# Altium PCB PCB_3U_DAC_no_BNC.PCBDOC (part 2 of 7)
Units mm, origin at the board's own origin, x right, y up, seen from the top; angles counter-clockwise.
Board outline 160 x 100 mm, 4 copper layers (TopLayer, Internal Plane 2, Signal Layer 1, BottomLayer), stack 1.563 mm thick; 706 components, 563 nets, 2139 pads, 736 vias.
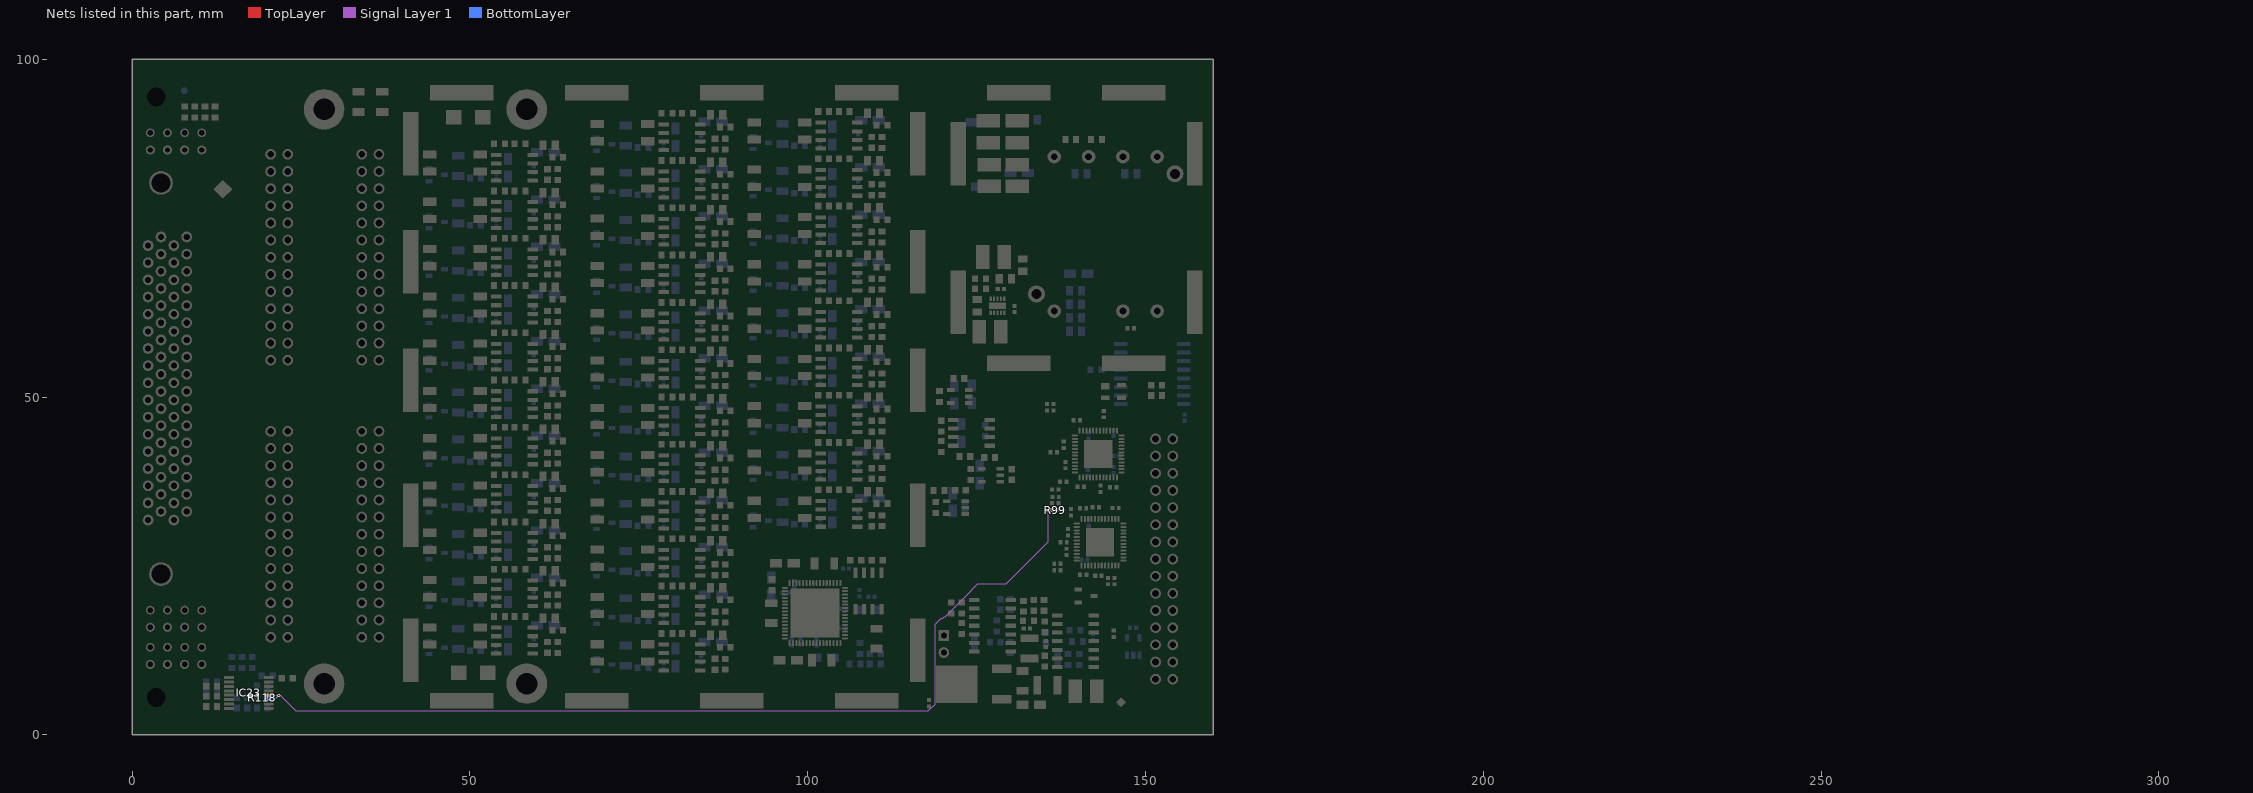
[diagram p4: the nets of this part, all layers, seen from the top]

## Components (designator, comment, footprint, x,y, rotation, side; value= is the part's Value field where it differs from the comment) (continued)
IC2_14 "OPA197ID" SOIC127P600X175-8N 81.407,46.47 r180 top (schematic designator IC2)
IC2_15 "OPA197ID" SOIC127P600X175-8N 104.607,46.72 r180 top (schematic designator IC2)
IC2_16 "OPA197ID" SOIC127P600X175-8N 56.607,55.97 r180 top (schematic designator IC2)
IC2_17 "OPA197ID" SOIC127P600X175-8N 81.407,53.47 r180 top (schematic designator IC2)
IC2_18 "OPA197ID" SOIC127P600X175-8N 104.607,53.72 r180 top (schematic designator IC2)
IC2_19 "OPA197ID" SOIC127P600X175-8N 56.607,62.97 r180 top (schematic designator IC2)
IC2_20 "OPA197ID" SOIC127P600X175-8N 81.407,60.47 r180 top (schematic designator IC2)
IC2_21 "OPA197ID" SOIC127P600X175-8N 104.607,60.72 r180 top (schematic designator IC2)
IC2_22 "OPA197ID" SOIC127P600X175-8N 56.607,69.97 r180 top (schematic designator IC2)
IC2_23 "OPA197ID" SOIC127P600X175-8N 81.407,67.47 r180 top (schematic designator IC2)
IC2_24 "OPA197ID" SOIC127P600X175-8N 104.607,67.72 r180 top (schematic designator IC2)
IC2_25 "OPA197ID" SOIC127P600X175-8N 56.607,76.97 r180 top (schematic designator IC2)
IC2_26 "OPA197ID" SOIC127P600X175-8N 81.407,74.47 r180 top (schematic designator IC2)
IC2_27 "OPA197ID" SOIC127P600X175-8N 104.607,74.72 r180 top (schematic designator IC2)
IC2_28 "OPA197ID" SOIC127P600X175-8N 56.607,83.97 r180 top (schematic designator IC2)
IC2_29 "OPA197ID" SOIC127P600X175-8N 81.407,81.47 r180 top (schematic designator IC2)
IC2_30 "OPA197ID" SOIC127P600X175-8N 104.607,81.72 r180 top (schematic designator IC2)
IC2_31 "OPA197ID" SOIC127P600X175-8N 81.407,88.47 r180 top (schematic designator IC2)
IC2_32 "OPA197ID" SOIC127P600X175-8N 104.607,88.72 r180 top (schematic designator IC2)
IC3 "MAX6250ACSA+" SOIC127P600X175-8N 108.979,21.32 r270 top
IC8 "SN65MLVD040RGZT" QFN50P700X700X100-49N-S420 143.006,41.58 r0 top
IC9 "SN65MLVD040RGZT" QFN50P700X700X100-49N-S420 143.27,28.534 r0 top
IC13 "PCF8574ADW" SOIC127P1030X265-16N 150.978,53.416 r0 bottom
IC16 "LM45CIM3" SOT95P251X112-3N 101.063,18.031 r135 bottom
IC17 "TS3431ILT" SOT95P237X112-3N 141.195,20.571 r0 top
IC18 "AD5372BCPZ" QFN50P900X900X100-65N-S725 101.063,18.031 r270 top
IC19 "STM811SW16F" SOT143N 145.25,50.861 r0 top
IC20 "TLC279CD" SOIC127P600X175-14N 139.635,13.872 r180 top
IC23 "SN74LV595APWT" SOP65P640X120-16N 17.263,6.206 r0 top
IC27 "LT1763CS8#PBF" SOIC127P600X175-8N 124.263,44.706 r0 top
IC29 "LT1761ES5-BYP#TRMPBF" SOT95P280X100-5N 121.933,33.647 r180 top
IC32 "24AA02E48T-I/OT" SOT95P280X145-5N 148.184,13.106 r90 bottom
IC33 "LT1964ES5-SD#TRMPBF" SOT95P280X100-5N 127.135,38.435 r180 top
IC34 "LT1964ES5-SD#TRMPBF" SOT95P280X100-5N 122.486,50.094 r180 top
IC35 "TPS62175DQC" SON50P200X300X80-11N-R94X250 128.088,63.531 r270 top
IC36 "TLC279CD" SOIC127P600X175-14N 127.38,16.158 r180 top
J1 "D-SUB" TYCO_5787082-7 5.213,52.756 r270 top
J3 "Header 26" 3M_N2526-6002RB 21.763,29.706 r90 top
J4 "Header 26" 3M_N2526-6002RB 35.263,29.706 r90 top locked
J5 "Header 26" 3M_N2526-6002RB 35.263,70.706 r90 top locked
J7 "Header 26" 3M_N2526-6002RB 21.763,70.706 r90 top
J37 "Familly" 3M_N2530-6002RB 152.763,26.031 r270 top
L3 "10uH" IND_MURATA-PS_8400 141.195,6.474 r0 top
L4_1 "2x6.5mH" IND_WURTH_WE-SL2 47.796,14.651 r180 top (schematic designator L4)
L4_2 "2x6.5mH" IND_WURTH_WE-SL2 72.596,12.151 r180 top (schematic designator L4)
L4_3 "2x6.5mH" IND_WURTH_WE-SL2 47.796,21.651 r180 top (schematic designator L4)
L4_4 "2x6.5mH" IND_WURTH_WE-SL2 72.596,19.151 r180 top (schematic designator L4)
L4_5 "2x6.5mH" IND_WURTH_WE-SL2 47.796,28.651 r180 top (schematic designator L4)
L4_6 "2x6.5mH" IND_WURTH_WE-SL2 72.596,26.151 r180 top (schematic designator L4)
L4_7 "2x6.5mH" IND_WURTH_WE-SL2 47.796,35.651 r180 top (schematic designator L4)
L4_8 "2x6.5mH" IND_WURTH_WE-SL2 72.596,33.151 r180 top (schematic designator L4)
L4_9 "2x6.5mH" IND_WURTH_WE-SL2 95.796,33.401 r180 top (schematic designator L4)
L4_10 "2x6.5mH" IND_WURTH_WE-SL2 47.796,42.651 r180 top (schematic designator L4)
L4_11 "2x6.5mH" IND_WURTH_WE-SL2 72.596,40.151 r180 top (schematic designator L4)
L4_12 "2x6.5mH" IND_WURTH_WE-SL2 95.796,40.401 r180 top (schematic designator L4)
L4_13 "2x6.5mH" IND_WURTH_WE-SL2 47.796,49.651 r180 top (schematic designator L4)
L4_14 "2x6.5mH" IND_WURTH_WE-SL2 72.596,47.151 r180 top (schematic designator L4)
L4_15 "2x6.5mH" IND_WURTH_WE-SL2 95.796,47.401 r180 top (schematic designator L4)
L4_16 "2x6.5mH" IND_WURTH_WE-SL2 47.796,56.651 r180 top (schematic designator L4)
L4_17 "2x6.5mH" IND_WURTH_WE-SL2 72.596,54.151 r180 top (schematic designator L4)
L4_18 "2x6.5mH" IND_WURTH_WE-SL2 95.796,54.401 r180 top (schematic designator L4)
L4_19 "2x6.5mH" IND_WURTH_WE-SL2 47.796,63.651 r180 top (schematic designator L4)
L4_20 "2x6.5mH" IND_WURTH_WE-SL2 72.596,61.151 r180 top (schematic designator L4)
L4_21 "2x6.5mH" IND_WURTH_WE-SL2 95.796,61.401 r180 top (schematic designator L4)
L4_22 "2x6.5mH" IND_WURTH_WE-SL2 47.796,70.651 r180 top (schematic designator L4)
L4_23 "2x6.5mH" IND_WURTH_WE-SL2 72.596,68.151 r180 top (schematic designator L4)
L4_24 "2x6.5mH" IND_WURTH_WE-SL2 95.796,68.401 r180 top (schematic designator L4)
L4_25 "2x6.5mH" IND_WURTH_WE-SL2 47.796,77.651 r180 top (schematic designator L4)
L4_26 "2x6.5mH" IND_WURTH_WE-SL2 72.596,75.151 r180 top (schematic designator L4)
L4_27 "2x6.5mH" IND_WURTH_WE-SL2 95.796,75.401 r180 top (schematic designator L4)
L4_28 "2x6.5mH" IND_WURTH_WE-SL2 47.796,84.651 r180 top (schematic designator L4)
L4_29 "2x6.5mH" IND_WURTH_WE-SL2 72.596,82.151 r180 top (schematic designator L4)
L4_30 "2x6.5mH" IND_WURTH_WE-SL2 95.796,82.401 r180 top (schematic designator L4)
L4_31 "2x6.5mH" IND_WURTH_WE-SL2 72.596,89.151 r180 top (schematic designator L4)
L4_32 "2x6.5mH" IND_WURTH_WE-SL2 95.796,89.401 r180 top (schematic designator L4)
L6 "10uH" IND_MURATA-PS_8400 131.035,82.801 r270 top
L7 "10uH" IND_MURATA-PS_8400 126.844,82.801 r270 top
L8 "10uH" IND_MURATA-PS_8400 127.5,70.75 r0 top
L9 "10uH" IND_MURATA-PS_8400 131.035,89.278 r90 top
L15 "10uH" IND_MURATA-PS_8400 126.717,89.278 r270 top
L16 "10uH" IND_MURATA-PS_8400 126.971,59.687 r180 top
LD3 "Green/Green/HeRed/HeRed" LED_BIVAR_H485CHHGGDL 6.488,87.856 r0 top
LD4 "Green" LED_BIVAR_H485CGDL 6.488,17.206 r0 top
LD5 "Green" LED_BIVAR_H485CGDL 6.488,11.706 r0 top
R1 "Undefined" RESC1608X55N 138.938,88.138 r180 top
R2 "0" RESC1005X40N 147.828,60.198 r180 top
R3 "0" RESC1005X40N 105.664,24.638 r0 bottom
R4 "36" RESC1608X55N 142.748,88.138 r180 top
R5 "47" RESC1608X55N 135.226,14.369 r270 bottom
R6 "100" RESC1005X40N 145.241,36.675 r0 top
R7 "0" RESC1005X40N 107.667,20.952 r270 bottom
R8 "10k" RESC1608X55N 151.651,50.226 r0 top
R9 "47" RESC1608X55N 127.762,13.716 r0 bottom
R10 "0" RESC1005X40N 145.288,14.986 r90 top
R11 "0" RESC1005X40N 135.894,48.003 r0 top
R12 "10k" RESC1608X55N 151.651,51.775 r0 top
R13 "0" RESC1005X40N 135.894,48.968 r0 top
R14 "0" RESC1005X40N 136.681,35.227 r0 top
R16 "100" RESC1005X40N 143.827,47.493 r270 top
R17 "100" RESC1005X40N 136.41,41.854 r0 top
R18 "100" RESC1005X40N 143.336,36.421 r90 top
R19 "100" RESC1005X40N 137.807,37.485 r0 top
R20 "100" RESC1005X40N 138.967,32.941 r270 top
R21 "100" RESC1005X40N 142.625,33.703 r0 top
R22 "100" RESC1005X40N 137.875,28.521 r0 top
R23 "100" RESC1005X40N 144.462,22.779 r90 top
R24_1 "2k32" RESC1608X55N 62.992,15.494 r180 top (schematic designator R24)
R24_2 "2k32" RESC1608X55N 87.792,12.994 r180 top (schematic designator R24)
R24_3 "2k32" RESC1608X55N 62.992,22.494 r180 top (schematic designator R24)
R24_4 "2k32" RESC1608X55N 87.792,19.994 r180 top (schematic designator R24)
R24_5 "2k32" RESC1608X55N 62.992,29.494 r180 top (schematic designator R24)
R24_6 "2k32" RESC1608X55N 87.792,26.994 r180 top (schematic designator R24)
R24_7 "2k32" RESC1608X55N 62.992,36.494 r180 top (schematic designator R24)
R24_8 "2k32" RESC1608X55N 87.792,33.994 r180 top (schematic designator R24)
R24_9 "2k32" RESC1608X55N 110.992,34.244 r180 top (schematic designator R24)
R24_10 "2k32" RESC1608X55N 62.992,43.494 r180 top (schematic designator R24)
R24_11 "2k32" RESC1608X55N 87.792,40.994 r180 top (schematic designator R24)
R24_12 "2k32" RESC1608X55N 110.992,41.244 r180 top (schematic designator R24)
R24_13 "2k32" RESC1608X55N 62.992,50.494 r180 top (schematic designator R24)
R24_14 "2k32" RESC1608X55N 87.792,47.994 r180 top (schematic designator R24)
R24_15 "2k32" RESC1608X55N 110.992,48.244 r180 top (schematic designator R24)
R24_16 "2k32" RESC1608X55N 62.992,57.494 r180 top (schematic designator R24)
R24_17 "2k32" RESC1608X55N 87.792,54.994 r180 top (schematic designator R24)
R24_18 "2k32" RESC1608X55N 110.992,55.244 r180 top (schematic designator R24)
R24_19 "2k32" RESC1608X55N 62.992,64.494 r180 top (schematic designator R24)
R24_20 "2k32" RESC1608X55N 87.792,61.994 r180 top (schematic designator R24)
R24_21 "2k32" RESC1608X55N 110.992,62.244 r180 top (schematic designator R24)
R24_22 "2k32" RESC1608X55N 62.992,71.494 r180 top (schematic designator R24)
R24_23 "2k32" RESC1608X55N 87.792,68.994 r180 top (schematic designator R24)
R24_24 "2k32" RESC1608X55N 110.992,69.244 r180 top (schematic designator R24)
R24_25 "2k32" RESC1608X55N 62.992,78.494 r180 top (schematic designator R24)
R24_26 "2k32" RESC1608X55N 87.792,75.994 r180 top (schematic designator R24)
R24_27 "2k32" RESC1608X55N 110.992,76.244 r180 top (schematic designator R24)
R24_28 "2k32" RESC1608X55N 62.992,85.494 r180 top (schematic designator R24)
R24_29 "2k32" RESC1608X55N 87.792,82.994 r180 top (schematic designator R24)
R24_30 "2k32" RESC1608X55N 110.992,83.244 r180 top (schematic designator R24)
R24_31 "2k32" RESC1608X55N 87.792,89.994 r180 top (schematic designator R24)
R24_32 "2k32" RESC1608X55N 110.992,90.244 r180 top (schematic designator R24)
R25_1 "9k09" RESC1608X55N 62.992,12.954 r270 top (schematic designator R25)
R25_2 "9k09" RESC1608X55N 87.792,10.454 r270 top (schematic designator R25)
R25_3 "9k09" RESC1608X55N 62.992,19.954 r270 top (schematic designator R25)
R25_4 "9k09" RESC1608X55N 87.792,17.454 r270 top (schematic designator R25)
R25_5 "9k09" RESC1608X55N 62.992,26.954 r270 top (schematic designator R25)
R25_6 "9k09" RESC1608X55N 87.792,24.454 r270 top (schematic designator R25)
R25_7 "9k09" RESC1608X55N 62.992,33.954 r270 top (schematic designator R25)
R25_8 "9k09" RESC1608X55N 87.792,31.454 r270 top (schematic designator R25)
R25_9 "9k09" RESC1608X55N 110.992,31.704 r270 top (schematic designator R25)
R25_10 "9k09" RESC1608X55N 62.992,40.954 r270 top (schematic designator R25)
R25_11 "9k09" RESC1608X55N 87.792,38.454 r270 top (schematic designator R25)
R25_12 "9k09" RESC1608X55N 110.992,38.704 r270 top (schematic designator R25)
R25_13 "9k09" RESC1608X55N 62.992,47.954 r270 top (schematic designator R25)
R25_14 "9k09" RESC1608X55N 87.792,45.454 r270 top (schematic designator R25)
R25_15 "9k09" RESC1608X55N 110.992,45.704 r270 top (schematic designator R25)
R25_16 "9k09" RESC1608X55N 62.992,54.954 r270 top (schematic designator R25)
R25_17 "9k09" RESC1608X55N 87.792,52.454 r270 top (schematic designator R25)
R25_18 "9k09" RESC1608X55N 110.992,52.704 r270 top (schematic designator R25)
R25_19 "9k09" RESC1608X55N 62.992,61.954 r270 top (schematic designator R25)
R25_20 "9k09" RESC1608X55N 87.792,59.454 r270 top (schematic designator R25)
R25_21 "9k09" RESC1608X55N 110.992,59.704 r270 top (schematic designator R25)
R25_22 "9k09" RESC1608X55N 62.992,68.954 r270 top (schematic designator R25)
R25_23 "9k09" RESC1608X55N 87.792,66.454 r270 top (schematic designator R25)
R25_24 "9k09" RESC1608X55N 110.992,66.704 r270 top (schematic designator R25)
R25_25 "9k09" RESC1608X55N 62.992,75.954 r270 top (schematic designator R25)
R25_26 "9k09" RESC1608X55N 87.792,73.454 r270 top (schematic designator R25)
R25_27 "9k09" RESC1608X55N 110.992,73.704 r270 top (schematic designator R25)
R25_28 "9k09" RESC1608X55N 62.992,82.954 r270 top (schematic designator R25)
R25_29 "9k09" RESC1608X55N 87.792,80.454 r270 top (schematic designator R25)
R25_30 "9k09" RESC1608X55N 110.992,80.704 r270 top (schematic designator R25)
R25_31 "9k09" RESC1608X55N 87.792,87.454 r270 top (schematic designator R25)
R25_32 "9k09" RESC1608X55N 110.992,87.704 r270 top (schematic designator R25)
R39_1 "470" RESC1608X55N 50.8,12.446 r180 bottom (schematic designator R39)
R39_2 "470" RESC1608X55N 75.6,9.946 r180 bottom (schematic designator R39)
R39_3 "470" RESC1608X55N 50.8,19.446 r180 bottom (schematic designator R39)
R39_4 "470" RESC1608X55N 75.6,16.946 r180 bottom (schematic designator R39)
R39_5 "470" RESC1608X55N 50.8,26.446 r180 bottom (schematic designator R39)
R39_6 "470" RESC1608X55N 75.6,23.946 r180 bottom (schematic designator R39)
R39_7 "470" RESC1608X55N 50.8,33.446 r180 bottom (schematic designator R39)
R39_8 "470" RESC1608X55N 75.6,30.946 r180 bottom (schematic designator R39)
R39_9 "470" RESC1608X55N 98.8,31.196 r180 bottom (schematic designator R39)
R39_10 "470" RESC1608X55N 50.8,40.446 r180 bottom (schematic designator R39)
R39_11 "470" RESC1608X55N 75.6,37.946 r180 bottom (schematic designator R39)
R39_12 "470" RESC1608X55N 98.8,38.196 r180 bottom (schematic designator R39)
R39_13 "470" RESC1608X55N 50.8,47.446 r180 bottom (schematic designator R39)
R39_14 "470" RESC1608X55N 75.6,44.946 r180 bottom (schematic designator R39)
R39_15 "470" RESC1608X55N 98.8,45.196 r180 bottom (schematic designator R39)
R39_16 "470" RESC1608X55N 50.8,54.446 r180 bottom (schematic designator R39)
R39_17 "470" RESC1608X55N 75.6,51.946 r180 bottom (schematic designator R39)
R39_18 "470" RESC1608X55N 98.8,52.196 r180 bottom (schematic designator R39)
R39_19 "470" RESC1608X55N 50.8,61.446 r180 bottom (schematic designator R39)
R39_20 "470" RESC1608X55N 75.6,58.946 r180 bottom (schematic designator R39)
R39_21 "470" RESC1608X55N 98.8,59.196 r180 bottom (schematic designator R39)
R39_22 "470" RESC1608X55N 50.8,68.446 r180 bottom (schematic designator R39)
R39_23 "470" RESC1608X55N 75.6,65.946 r180 bottom (schematic designator R39)
R39_24 "470" RESC1608X55N 98.8,66.196 r180 bottom (schematic designator R39)
R39_25 "470" RESC1608X55N 50.8,75.446 r180 bottom (schematic designator R39)
R39_26 "470" RESC1608X55N 75.6,72.946 r180 bottom (schematic designator R39)
R39_27 "470" RESC1608X55N 98.8,73.196 r180 bottom (schematic designator R39)
R39_28 "470" RESC1608X55N 50.8,82.446 r180 bottom (schematic designator R39)
R39_29 "470" RESC1608X55N 75.6,79.946 r180 bottom (schematic designator R39)
R39_30 "470" RESC1608X55N 98.8,80.196 r180 bottom (schematic designator R39)
R39_31 "470" RESC1608X55N 75.6,86.946 r180 bottom (schematic designator R39)
R39_32 "470" RESC1608X55N 98.8,87.196 r180 bottom (schematic designator R39)
R51 "0" RESC1005X40N 136.961,24.381 r0 top
R52 "10k" RESC1608X55N 135.099,15.999 r270 top
R53 "1M" RESC1608X55N 130.019,12.951 r270 bottom
R54 "100k" RESC1608X55N 130.019,19.301 r270 bottom
R55 "100k" RESC1608X55N 133.448,19.174 r90 top
R56 "6k8" RESC1608X55N 139.925,13.84 r0 bottom
R57 "100k" RESC1608X55N 127.987,16.126 r90 bottom
R58 "220" RESC1608X55N 19.25,7.25 r0 bottom
R60 "22" RESC3216X65N 110.152,14.25 r270 top
R62 "100k" RESC1608X55N 131.924,19.047 r270 top
R63 "22" RESC3216X65N 102.46,25.397 r0 top
R65 "100k" RESC1608X55N 134.972,19.174 r270 top
R66 "22" RESC3216X65N 94.586,18.031 r90 top
R67_1 "11k" RESC1608X55N 54.356,17.526 r180 top (schematic designator R67)
R67_2 "11k" RESC1608X55N 79.156,15.026 r180 top (schematic designator R67)
R67_3 "11k" RESC1608X55N 54.356,24.526 r180 top (schematic designator R67)
R67_4 "11k" RESC1608X55N 79.156,22.026 r180 top (schematic designator R67)
R67_5 "11k" RESC1608X55N 54.356,31.526 r180 top (schematic designator R67)
R67_6 "11k" RESC1608X55N 79.156,29.026 r180 top (schematic designator R67)
R67_7 "11k" RESC1608X55N 54.356,38.526 r180 top (schematic designator R67)
R67_8 "11k" RESC1608X55N 79.156,36.026 r180 top (schematic designator R67)
R67_9 "11k" RESC1608X55N 102.356,36.276 r180 top (schematic designator R67)
R67_10 "11k" RESC1608X55N 54.356,45.526 r180 top (schematic designator R67)
R67_11 "11k" RESC1608X55N 79.156,43.026 r180 top (schematic designator R67)
R67_12 "11k" RESC1608X55N 102.356,43.276 r180 top (schematic designator R67)
R67_13 "11k" RESC1608X55N 54.356,52.526 r180 top (schematic designator R67)
R67_14 "11k" RESC1608X55N 79.156,50.026 r180 top (schematic designator R67)
R67_15 "11k" RESC1608X55N 102.356,50.276 r180 top (schematic designator R67)
R67_16 "11k" RESC1608X55N 54.356,59.526 r180 top (schematic designator R67)
R67_17 "11k" RESC1608X55N 79.156,57.026 r180 top (schematic designator R67)
R67_18 "11k" RESC1608X55N 102.356,57.276 r180 top (schematic designator R67)
R67_19 "11k" RESC1608X55N 54.356,66.526 r180 top (schematic designator R67)
R67_20 "11k" RESC1608X55N 79.156,64.026 r180 top (schematic designator R67)
R67_21 "11k" RESC1608X55N 102.356,64.276 r180 top (schematic designator R67)
R67_22 "11k" RESC1608X55N 54.356,73.526 r180 top (schematic designator R67)
R67_23 "11k" RESC1608X55N 79.156,71.026 r180 top (schematic designator R67)
R67_24 "11k" RESC1608X55N 102.356,71.276 r180 top (schematic designator R67)
R67_25 "11k" RESC1608X55N 54.356,80.526 r180 top (schematic designator R67)
R67_26 "11k" RESC1608X55N 79.156,78.026 r180 top (schematic designator R67)
R67_27 "11k" RESC1608X55N 102.356,78.276 r180 top (schematic designator R67)
R67_28 "11k" RESC1608X55N 54.356,87.526 r180 top (schematic designator R67)
R67_29 "11k" RESC1608X55N 79.156,85.026 r180 top (schematic designator R67)
R67_30 "11k" RESC1608X55N 102.356,85.276 r180 top (schematic designator R67)
R67_31 "11k" RESC1608X55N 79.156,92.026 r180 top (schematic designator R67)
R67_32 "11k" RESC1608X55N 102.356,92.276 r180 top (schematic designator R67)
R68_1 "Undefined" RESC1608X55N 57.404,17.526 r180 top (schematic designator R68)
R68_2 "Undefined" RESC1608X55N 82.204,15.026 r180 top (schematic designator R68)
R68_3 "Undefined" RESC1608X55N 57.404,24.526 r180 top (schematic designator R68)
R68_4 "Undefined" RESC1608X55N 82.204,22.026 r180 top (schematic designator R68)
R68_5 "Undefined" RESC1608X55N 57.404,31.526 r180 top (schematic designator R68)
R68_6 "Undefined" RESC1608X55N 82.204,29.026 r180 top (schematic designator R68)
R68_7 "Undefined" RESC1608X55N 57.404,38.526 r180 top (schematic designator R68)
R68_8 "Undefined" RESC1608X55N 82.204,36.026 r180 top (schematic designator R68)
R68_9 "Undefined" RESC1608X55N 105.404,36.276 r180 top (schematic designator R68)
R68_10 "Undefined" RESC1608X55N 57.404,45.526 r180 top (schematic designator R68)
R68_11 "Undefined" RESC1608X55N 82.204,43.026 r180 top (schematic designator R68)
R68_12 "Undefined" RESC1608X55N 105.404,43.276 r180 top (schematic designator R68)
R68_13 "Undefined" RESC1608X55N 57.404,52.526 r180 top (schematic designator R68)
R68_14 "Undefined" RESC1608X55N 82.204,50.026 r180 top (schematic designator R68)
R68_15 "Undefined" RESC1608X55N 105.404,50.276 r180 top (schematic designator R68)
R68_16 "Undefined" RESC1608X55N 57.404,59.526 r180 top (schematic designator R68)
R68_17 "Undefined" RESC1608X55N 82.204,57.026 r180 top (schematic designator R68)
R68_18 "Undefined" RESC1608X55N 105.404,57.276 r180 top (schematic designator R68)
R68_19 "Undefined" RESC1608X55N 57.404,66.526 r180 top (schematic designator R68)
R68_20 "Undefined" RESC1608X55N 82.204,64.026 r180 top (schematic designator R68)
R68_21 "Undefined" RESC1608X55N 105.404,64.276 r180 top (schematic designator R68)
R68_22 "Undefined" RESC1608X55N 57.404,73.526 r180 top (schematic designator R68)
R68_23 "Undefined" RESC1608X55N 82.204,71.026 r180 top (schematic designator R68)
R68_24 "Undefined" RESC1608X55N 105.404,71.276 r180 top (schematic designator R68)
R68_25 "Undefined" RESC1608X55N 57.404,80.526 r180 top (schematic designator R68)
R68_26 "Undefined" RESC1608X55N 82.204,78.026 r180 top (schematic designator R68)
R68_27 "Undefined" RESC1608X55N 105.404,78.276 r180 top (schematic designator R68)
R68_28 "Undefined" RESC1608X55N 57.404,87.526 r180 top (schematic designator R68)
R68_29 "Undefined" RESC1608X55N 82.204,85.026 r180 top (schematic designator R68)
R68_30 "Undefined" RESC1608X55N 105.404,85.276 r180 top (schematic designator R68)
R68_31 "Undefined" RESC1608X55N 82.204,92.026 r180 top (schematic designator R68)
R68_32 "Undefined" RESC1608X55N 105.404,92.276 r180 top (schematic designator R68)
R69 "24k" RESC1608X55N 119.486,50.094 r270 top
R70 "2k7" RESC1608X55N 122.368,52.778 r180 top
R71 "10k" RESC1608X55N 142.659,54.061 r180 bottom
R72 "0" RESC1005X40N 135.226,13.459 r90 top
R73 "22" RESC3216X65N 102.079,11.046 r180 top
R74 "2k2" RESC1608X55N 7.763,92.206 r90 top
R75 "2k2" RESC1608X55N 12.263,92.206 r270 top
R76 "10k" RESC1608X55N 140.179,11.173 r90 bottom
R77 "10k" RESC1608X55N 135.099,10.919 r90 top
R78 "10M" RESC1508X63N 124.685,13.713 r270 bottom
R79 "2k2" RESC1608X55N 9.263,92.206 r270 top
R81 "10k" RESC1608X55N 139.544,15.491 r180 bottom
R82 "220" RESC1608X55N 19.25,4 r0 bottom
R83 "2k2" RESC1608X55N 10.763,92.206 r270 top
R84 "10k" RESC1608X55N 138.528,11.173 r270 bottom
R85 "6k8" RESC1608X55N 122.78,15.745 r270 top
R87 "10M" RESC1508X63N 137.004,11.173 r270 bottom
R88 "0" RESC1005X40N 136.961,25.346 r0 top
R97 "0" RESC1005X40N 136.652,36.322 r0 top